# Allegro board FH8858v310_app_board_v1.1.brd (continued)
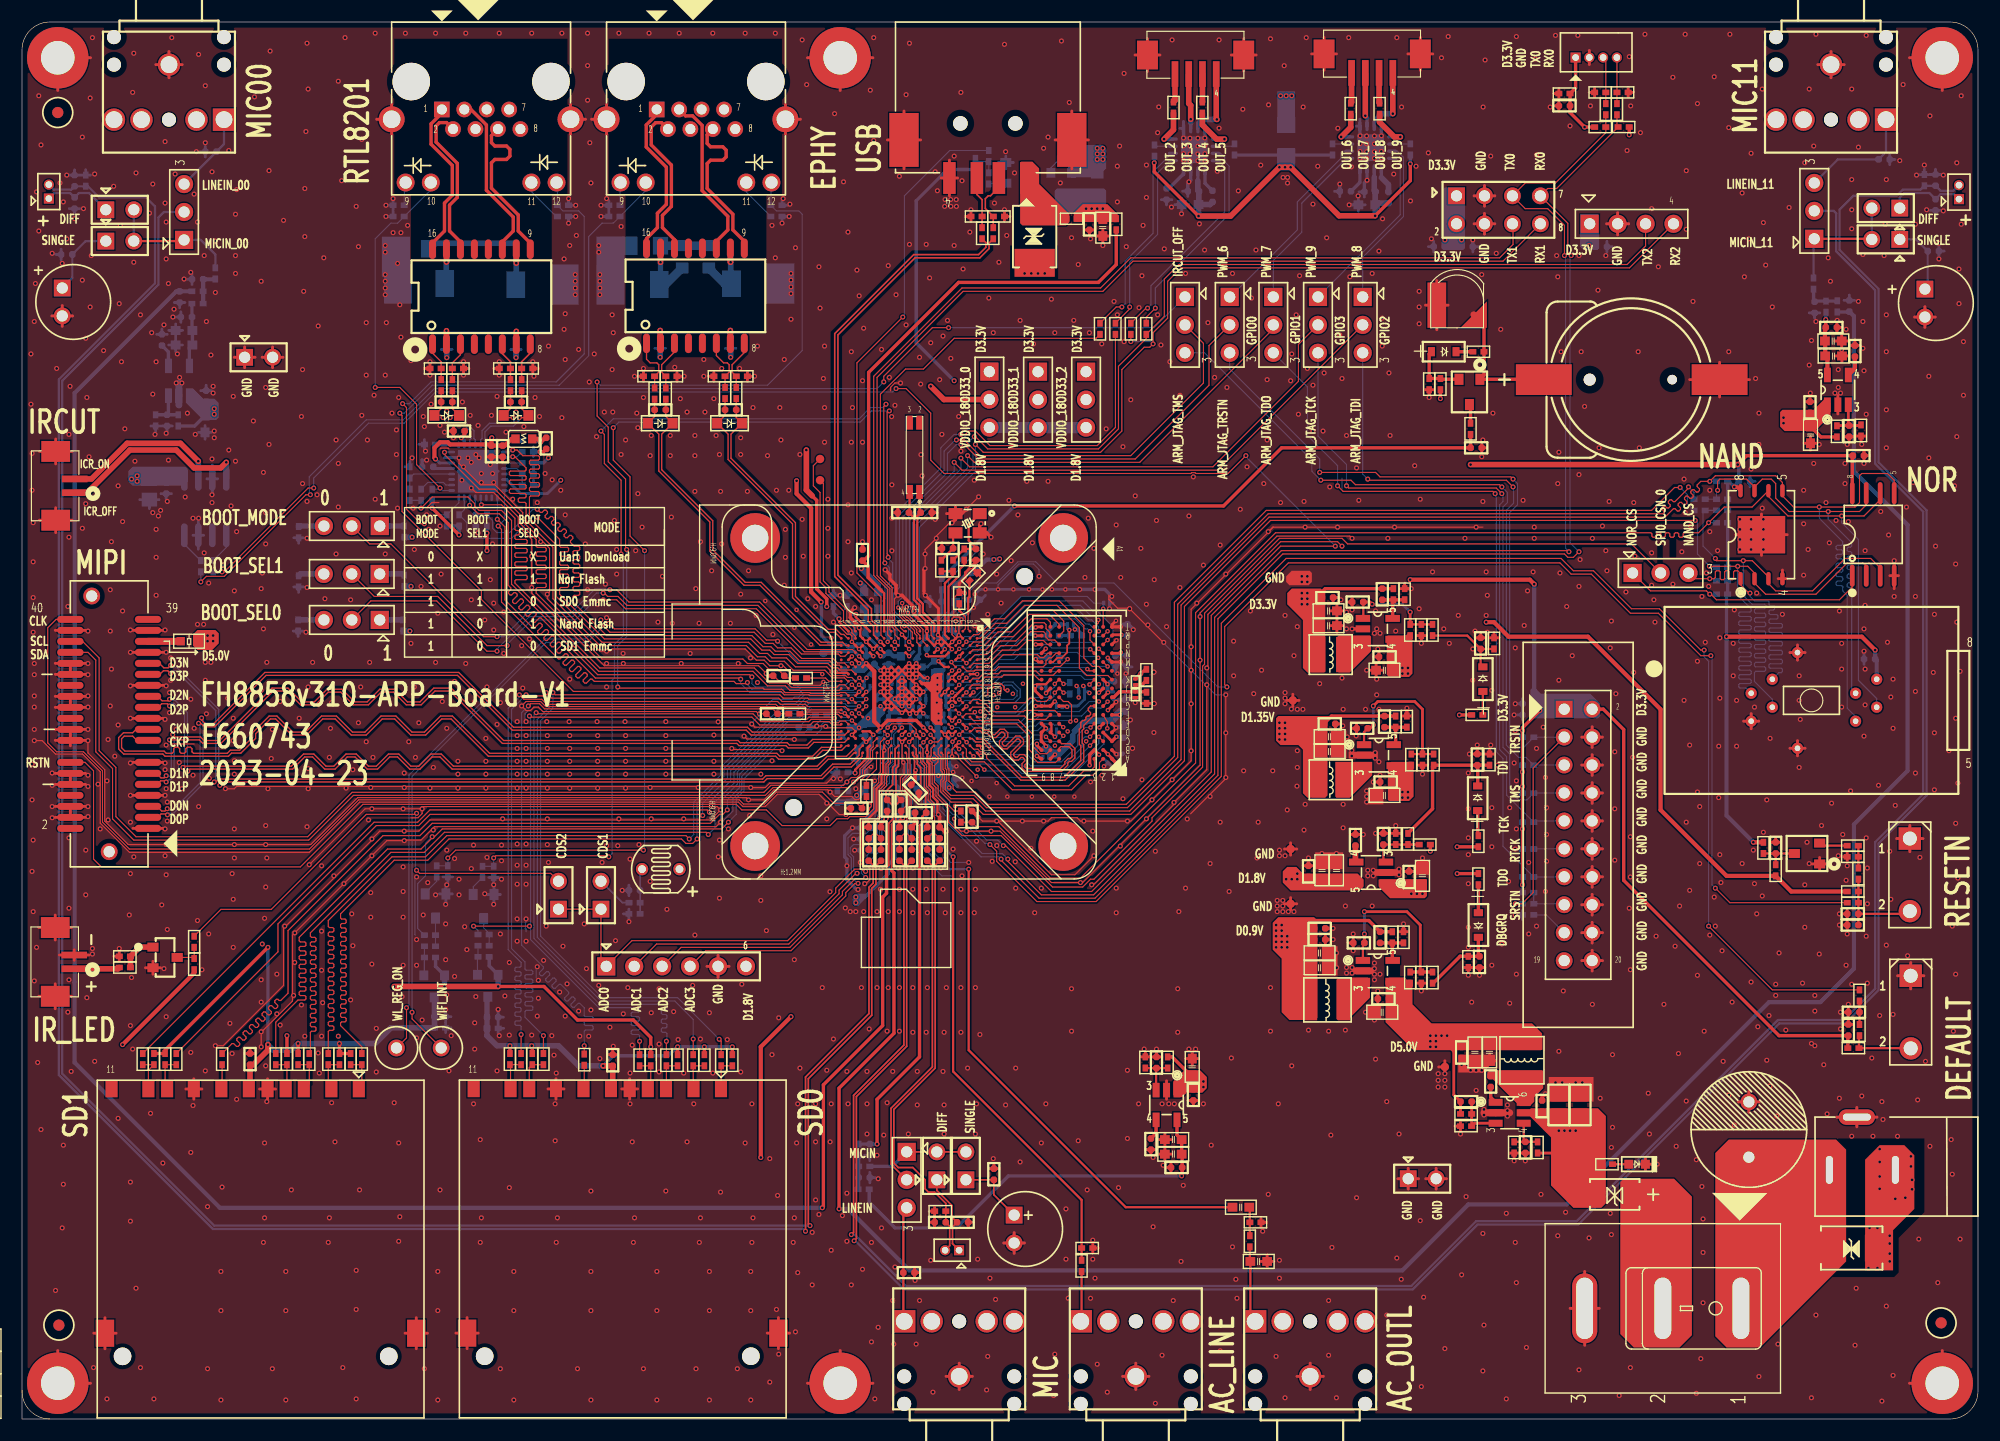
[diagram p0: board, top side]
## Routing (per net, layer and track width the routed paths; a pad name or vN(x,y) marks a point on that pad's centre or on a via; arc(x,y) is an arc through that point) (continued)
N06013: length 5.9
  TOP w0.203: R165.1 166.98,34.8 R164.2 171.66,33.72 S1.2
N06017: length 2.1
  TOP w0.203: R165.2 C161.1 R166.1
N06505: length 8.9
  TOP w0.203: S2.2 171.36,45.92 C163.1 ; C163.1 C164.1 ; C163.1 166.93,46.93 R172.1 R168.1 R171.2
N06945: length 2
  TOP w0.203: R170.2 R173.2 166.93,50.1 R171.1
N06949: length 2.6
  TOP w0.203: U22.2 163.64,52.12 R170.1
N07170: length 3.8
  TOP w0.203: R169.2 159.41,50.39 C162.1 ; C162.1 R167.2 ; C162.1 161.1,51.41 U22.3
N07819:
  vias: v2(96.72,110.03) v2(97.23,110.03) v2(97.74,110.03) v2(98.25,110.03)
N08491: length 3.6
  BOTTOM w0.102: Q4.3 93.52,113.28 MQ3.1 93.52,113.74 R159.1
N08611: length 1.6
  BOTTOM w0.102: Q4.1 87.96,112.34 R163.2
N08706: length 2.8
  TOP w0.102: UR1.L8 93.48,68.01 93.88,68.41 94.38,68.41 v1(95.05,69.08)
  BOTTOM w0.102: v1(95.05,69.08) 94.94,69.19 RR4.2
N08717: length 2.4
  BOTTOM w0.102: R163.1 R162.2 86.97,114.3 R161.1
N08787: length 2.7
  BOTTOM w0.102: MQ1.1 41.4,41.96 R73.1 41.46,42.01 R76.2
N08811: length 2.7
  BOTTOM w0.102: Q1.3 41.96,44.65 42.47,44.14 R75.2 42.47,43.04 R76.1
N09072: length 1.5
  TOP w0.203: R1.1 146.05,23.16 D3.A
N09434: length 7
  BOTTOM w0.203: J10.1 4.57,103.73 C134.1 5.79,107.09 JP21.1
N09578: length 7.4
  BOTTOM w0.203: JP23.3 C145.1 18.36,115.9 CN3.1
N09603: length 1.6
  TOP w0.305: U1.1 133.5,29.24 C1.1
N09903: length 4.5
  TOP w0.254: C8.2 R3.1 131.77,27.73 R5.2 132.04,26.89 U1.3
N09934: length 2.7
  BOTTOM w0.102: R95.2 36.58,41.96 R91.1 36.57,40.38 MQ2.1
N09938: length 2.6
  BOTTOM w0.102: R95.1 37.59,42.98 R94.2 37.59,45.53 Q2.3
N10300: length 3.3
  BOTTOM w0.381: R115.1 R116.1 16.46,103.6 C139.1 17.55,103.61 R114.2
N11558: length 9.3
  TOP w0.203: R12.2 R8.2 R7.2 ; C20.2 121.92,72.81 U2.1
  TOP w0.254: v2(122.73,74.07) 122.53,74.27 C20.2 ; v2(126.18,73.36) R7.2
  BOTTOM w0.254: v2(126.18,73.36) 125.47,74.07 v2(122.73,74.07)
N12328: length 3.8
  TOP w0.305: R9.2 125.68,74.47 R6.1 ; R6.1 124.59,74.4 U2.5 ; R6.1 C13.2
N12968: length 3.4
  TOP w0.508: Q3.1 10.7,42.9 R134.1 R133.1
N13141: length 2.6
  TOP w0.102: R130.2 R131.1 15.55,41.96 Q3.3
N15061: length 3.7
  TOP w0.305: R16.2 125.88,62.89 R14.1 ; R14.1 C27.2 ; R14.1 124.86,61.47 U4.5
N15235: length 15
  TOP w0.203: R15.2 R17.2 R20.2 ; U4.1 121.99,62.45 C31.2
  TOP w0.254: R17.2 127.3,64.52 126.59,65.23 123.24,65.23 v2(122.83,64.82) ; v2(122.83,63.09) 122.53,62.79 C31.2
  BOTTOM w0.254: v2(122.83,63.09) v2(122.83,64.82)
N17654: length 3.7
  TOP w0.305: C36.2 R23.1 ; R23.1 124.56,41.72 U5.5 ; R23.1 125.58,43.28 R26.2
N17828: length 16.4
  TOP w0.203: U5.1 121.89,43.15 C41.2
  TOP w0.254: R25.2 127.1,40.74 127.1,44.91 125.88,46.12 v2(122.02,46.12) ; C41.2 v2(122.02,44.09)
  TOP w0.305: R27.2 R25.2 R24.2
  BOTTOM w0.254: v2(122.02,44.09) v2(122.02,46.12)
N20335: length 4.9
  TOP w0.203: U3.3 123.75,50.87 C23.2 124.86,52.22 R11.2 R13.2 127,52.22 R10.2
N28498: length 3.9
  TOP w0.203: U1.4 136.5,25.35 C10.2 ; R2.2 137.76,25.2 C10.2 ; R4.2 135.64,25.2 C10.2
N33554: length 3.8
  BOTTOM w0.305: R117.2 14.19,91.29 C144.2 ; R118.2 12.15,91.29 C144.2 ; U13.3 13.31,91.42 C144.2
N36432: length 4.6
  TOP w0.203: R120.1 96.31,8.95 CN4.1
N36801: length 1.5
  TOP w0.508: C24.1 121.21,50.7 U3.4
N41621: length 2.3
  TOP w0.305: R18.2 132.32,53.09 D4.A
N41625: length 2.5
  TOP w0.305: D5.A 132.39,46.03 R21.2
N44755: length 6.4
  BOTTOM w0.203: JP22.1 6.1,111.46 5.18,111.46 C142.1 4.37,111.46 2.95,111.46 J11.1
N44863: length 12.1
  TOP w0.203: JP23.1 14.63,107.09 JP21.2
  BOTTOM w0.203: JP23.1 16.26,107.19 17.57,105.87 R114.1 ; JP21.2 JP22.2
N48743: length 2.1
  BOTTOM w0.305: U13.4 13.31,97 C141.1
N052210: length 1.9
  BOTTOM w0.102: Q1.1 41.02,48.39 R78.2
N56700: length 3.3
  BOTTOM w0.305: R110.1 164.99,101.63 R109.1 163,101.63 C126.1 162.85,101.66 R108.2
N56732: length 6.5
  BOTTOM w0.203: JP18.1 172.16,107.24 C121.1 173.23,102.97 J8.1
N56740: length 7.1
  BOTTOM w0.203: JP19.1 170.69,111.05 171.09,111.46 173.38,111.46 C129.1 174.4,111.35 175.62,111.35 J9.1
N56748: length 11.7
  TOP w0.203: JP18.2 168.1,107.29 JP20.1
  BOTTOM w0.203: JP20.1 162.85,107.22 R108.1 ; JP19.2 JP18.2
N56996: length 4.1
  TOP w0.254: U12.3 166.01,90.39 C131.2 ; C131.2 165,90.31 R111.2 ; C131.2 167.11,90.31 R112.2
N57248: length 10.6
  BOTTOM w0.203: CN2.1 169.44,115.19 C132.1 165.05,114.5 JP20.3
N57260: length 1.9
  TOP w0.381: U12.4 166.61,95.51 C128.1
N58665: length 3.1
  BOTTOM w0.305: R103.1 76.05,20.93 C113.1 R102.2 R104.1
N58697: length 6.5
  TOP w0.152: JP15.1 88.34,21.74 C108.1 88.34,20.39 J6.1
N58705: length 7.6
  TOP w0.152: J7.1 84.58,15.94 84.58,17.47 C116.1 84.53,18.34 84.53,19.41 83.16,20.78 JP16.1
N58713: length 9.3
  TOP w0.152: JP17.1 JP16.2 JP15.2
  BOTTOM w0.305: JP17.1 79.1,22.96 R102.1
N58961: length 4
  TOP w0.203: R106.2 102.12,31.9 C118.2 ; C118.2 103.09,31.86 U11.3 ; C118.2 104.14,31.9 R105.2
N59213: length 10.5
  TOP w0.203: JP17.3 80.11,18.9 C119.1 80.11,8.95 CN1.1
N59225: length 1.9
  TOP w0.305: U11.4 103.09,25.97 C115.1
N098160: length 2
  BOTTOM w0.102: R97.2 37.69,48.87 36.65,47.83 Q2.1
N16420393: length 8.2
  BOTTOM w0.508: R186.1 R183.1 37.46,106.89 C169.2
N16420413: length 3.5
  TOP w0.14: U24.8 46.2,96.9 45.42,96.11 D29.A 45.42,94.49 R187.1
N16420429: length 3.5
  TOP w0.14: R185.1 44.4,94.49 D28.A 44.4,96.11 43.66,96.85 U24.6
N16420441: length 3.5
  TOP w0.114: R184.1 39.12,95.5 D27.A 39.12,96.01 39.85,96.75 U24.3
N16420453: length 3.5
  TOP w0.114: R182.1 38.1,95.5 D25.A 38.1,96.11 37.31,96.9 U24.1
N16420847: length 3.9
  TOP w0.508: U24.15 v2(38.58,105.18)
  BOTTOM w0.508: D26.K 38.58,103.39 v2(38.58,105.18) 38.61,105.2 R183.2
N16421965: length 4
  TOP w0.508: U24.10 v2(44.93,105.08)
  BOTTOM w0.508: D33.K 44.93,103.17 v2(44.93,105.08) 44.9,105.11 R186.2
N16425733: length 2.1
  BOTTOM w0.102: J17.9 54.36,112.36 R179.2
N16425793: length 4
  BOTTOM w0.102: J17.11 65.83,111.56 R176.2
N16425805: length 4.4
  BOTTOM w0.762: C166.2 R175.1 R180.1
N16425817: length 4.6
  TOP w0.114: R181.1 64.92,94.79 D24.A 64.55,95.17 64.55,95.84 65.66,96.95 U23.8
N16425841: length 4.8
  TOP w0.114: U23.6 63.12,96.67 63.78,96.01 64.11,96.01 64.28,95.84 64.28,95.17 D22.A 63.91,94.79 R178.1
N16425857: length 4.7
  TOP w0.114: R177.1 D21.A 58.15,95.17 58.15,95.84 59.31,97 U23.3
N16425869: length 5
  TOP w0.114: U23.1 56.77,96.34 57.1,96.01 57.71,96.01 57.88,95.84 57.88,95.17 D18.A R174.1
N16426003: length 6
  TOP w0.508: U23.15 v2(58.04,105.16)
  BOTTOM w0.508: v2(58.04,105.16) 58.04,103.24 D15.K
  BOTTOM w0.762: R175.2 58.5,103.13 D15.K
N16426121: length 6.6
  TOP w0.508: U23.10 64.39,105.18 v2(64.41,105.16)
  BOTTOM w0.508: D16.K 64.41,103.3 v2(64.41,105.16) 64.41,105.87
  BOTTOM w0.762: R180.2 63.86,103.22 D16.K
N16429750: length 6.4
  TOP w0.203: R40.2 R39.1 C78.2 86.72,79.2 86.06,79.86 86.06,81.31 U7.1
N16429757: length 3
  TOP w0.203: U7.3 84.63,80.34 C80.2 R41.1
N16431709: length 3.7
  TOP w0.203: v2(75.73,58.73) 75.73,59.02 76.86,60.15 76.86,61.01 76.96,61.11 U6.T17
  BOTTOM w0.305: v2(75.73,58.73) 75.72,58.73 75.68,58.78 R38.2
N16431882: length 4.9
  TOP w0.203: v1(77.39,62.2) 77.39,62.2 U6.T15 U6.U15
  BOTTOM w0.254: v1(77.39,62.2) 77.17,61.98 77.17,61.12 C65.2
  BOTTOM w0.305: R36.2 76.56,59.33 76.96,59.74 C63.2 C65.2
N16435126: length 2.1
  BOTTOM w0.102: R189.2 34.75,112.28 J18.9
N16435186: length 4.1
  BOTTOM w0.102: R188.2 48.56,109.32 46.3,111.58 J18.11
N16435296: length 3.3
  TOP w0.203: U6.T1 75.79,72.89 v2(75.79,73.15)
  BOTTOM w0.305: R31.1 74.98,73.66 75.49,73.15 v2(75.79,73.15)
N16435824: length 3.7
  TOP w0.203: U6.P3 v1(78.04,70.65)
  BOTTOM w0.254: v1(78.04,70.65) 77.72,70.96 C51.1 C49.1 77.72,73.56 R30.1
N16436348: length 4.7
  TOP w0.203: U6.P4 v1(78.04,70)
  BOTTOM w0.254: C43.1 76.66,71.38 v1(78.04,70)
  BOTTOM w0.305: R28.1 76.66,73.56 C42.1 C43.1
N16436997: length 7.1
  TOP w0.203: U6.L15 80,62.2 v1(79.99,62.2)
  BOTTOM w0.152: C54.1 79.3,59.18 79.71,59.59 79.71,61.31 79.62,61.39 79.62,61.83 v1(79.99,62.2)
  BOTTOM w0.305: R32.1 79.35,56.59 79.65,56.9 79.65,57.45 79.3,57.81 C53.1 C54.1
N16449185: length 5.4
  TOP w0.203: v1(83.89,69.99) 83.57,69.67 U6.F4
  BOTTOM w0.305: R29.2 84.89,73.61 84.02,72.75 84.02,72.64 C45.2 84.04,72.54 84.04,71.94 83.89,71.8 83.89,71.56 83.82,71.49 83.82,71.01 C50.2 83.72,70.85 83.72,70.16 v1(83.89,69.99)
N16449233: length 2.8
  TOP w0.203: U6.E4 83.89,69.34 82.4,69.34 82.29,69.45 v1(82.25,69.45)
  BOTTOM w0.203: v1(82.25,69.45) C46.2
N16450927: length 3.3
  TOP w0.102: U6.Y8 73.35,67.07 73.05,67.36 R205.1
N16455658: length 45.1
  TOP w0.102: R154.2 97.63,98.25 84.73,98.25 81.94,95.45 80.31,95.45 78.03,93.17 78.03,76.66 79.1,75.59 79.1,71.98 79.35,71.73 79.35,71.29 U6.M2
N16455818: length 45.3
  TOP w0.102: U6.L1 80.18,71.62 79.86,71.94 79.86,72.32 v1(79.8,72.38) ; R155.2 99.39,90.15 97.74,88.49 87.99,88.49 86.66,89.81 86.06,89.81 85.75,89.51 v2(85.34,89.51)
  BOTTOM w0.102: v2(85.34,89.51) 84.73,89.51 83.52,88.29 83.52,86.46 79.45,82.4 79.45,75.79 79.04,75.39 79.04,73.42 79.8,72.67 v1(79.8,72.38)
N16457157: length 3.1
  TOP w0.102: U6.V13 v1(75.44,64.15)
  BOTTOM w0.102: v1(75.44,64.15) 75.08,63.79 74.43,63.79 74.14,64.08 73.23,64.08 R206.1
N16486091: length 2.4
  BOTTOM w0.508: R48.1 25.1,72.64 JP3.3
N16486095: length 2.1
  BOTTOM w0.508: R47.1 32.52,72.65 JP3.1
N16486099: length 2.4
  BOTTOM w0.508: JP2.3 25.31,76.82 R46.1
N16486103: length 2.3
  BOTTOM w0.508: R45.1 34.63,76.82 JP2.1
N16486107: length 2.3
  BOTTOM w0.508: JP1.3 25.19,81.18 R43.1
N16486111: length 2.2
  BOTTOM w0.508: R42.1 32.52,81.18 JP1.1
N16486523: length 2.8
  TOP w0.203: v2(74.27,72.75) 74.27,72.47 U6.W1
  BOTTOM w0.305: v2(74.27,72.75) 73.76,73.25 R49.1
N16486660: length 15.1
  TOP w0.102: U6.V1 75.69,71.69 75.69,71.91 74.98,72.62 74.98,73.56 73.36,75.18 73.36,75.69 72.85,76.2 72.85,85.04 T12.1
N16486662: length 18.2
  TOP w0.102: U6.V2 75.77,71.14 75.44,71.48 75.44,71.73 74.68,72.49 74.68,73.46 73.08,75.06 73.08,75.56 72.54,76.1 72.54,84.23 71.93,84.84 71.93,86.66 T13.1
N16487186: length 2.6
  TOP w0.203: U6.R4 v1(78.04,69.35)
  BOTTOM w0.381: v1(78.04,69.35) 78.29,69.35 78.59,69.64 C87.1 78.89,69.64 79.2,69.34 R44.1
N16490273: length 4.7
  TOP w0.102: U6.B1 86,71.78 86,73.2
  TOP w0.203: RR2.2 86.12,74.74 86,74.62 86,73.2
N16490668: length 3.9
  TOP w0.203: U6.U5 v1(76.1,69.34)
  BOTTOM w0.305: v1(76.1,69.34) 75.65,69.79 73,69.79 T11.1
N16520538: length 1.7
  TOP w0.305: D6.3 131.67,92.12 R61.2
N16520613: length 12.2
  TOP w0.305: BT2.1 132.9,99.46 R62.1 132.9,94.89 D6.1 138.3,94.52 BT1.1
N16520832: length 5.3
  TOP w0.305: D6.2 129,94.52 R60.1 127.92,94.59 R63.2 127.91,96.82 D7.A
N16520849: length 1.5
  TOP w0.305: R62.2 131.88,97.03 D7.K
N16521132: length 53
  TOP w0.102: JP10.2 107.39,97.79 107.39,94.18 100.79,87.58 87.07,87.58 85.65,89 v2(84.94,89) ; v1(80.21,72.09) 80.37,72.09 80.92,71.53 80.92,71.01 U6.K2
  BOTTOM w0.102: v2(84.94,89) 84.84,89 83.82,87.99 83.82,86.26 79.76,82.19 79.76,75.59 79.25,75.08 79.25,73.51 80.21,72.54 v1(80.21,72.09)
N16521492: length 3.4
  TOP w0.102: U6.R18 77.67,60.52 77.67,59.08 76.76,58.16 R33.2
N16523108: length 2.8
  TOP w0.102: U6.C1 85.75,71.85 85.75,72.95 85.65,73.05
  TOP w0.203: 85.65,73.05 85.19,73.51 RR3.2
N16568818: length 2.1
  BOTTOM w0.305: C187.1 107.54,112.34 U26.9
N16568861: length 2.3
  BOTTOM w0.305: U26.12 105.59,113.21 104.24,111.86 C186.1
N16569733: length 1.8
  BOTTOM w0.102: R209.2 110,115.7 U26.6
N16569735: length 1.7
  BOTTOM w0.102: R211.2 103.06,115.7 U26.15
N16571206: length 2.3
  BOTTOM w0.305: 123.57,112.86 U27.9
  BOTTOM w0.508: C182.1 124.21,112.21 123.57,112.86
N16571226: length 2.4
  BOTTOM w0.305: U27.12 121.62,112.42 C188.1
N16571270: length 1.7
  BOTTOM w0.102: R208.2 126.18,115.91 U27.6
N16571274: length 1.5
  BOTTOM w0.102: U27.15 119.14,115.91 R207.2
N16582454: length 9.6
  TOP w0.102: U6.N18 78.94,60.49 78.94,59.66 78.74,59.45 78.74,58.53 78.59,58.38 78.59,57.57 78.13,57.11 78.13,54.73 77.63,54.23 77.63,53.24 C60.1 C61.1
N16582482: length 10.3
  TOP w0.102: U6.N17 78.74,60.94 78.74,59.74 78.54,59.54 78.54,58.62 78.38,58.46 78.38,57.65 77.93,57.19 77.93,54.81 77.42,54.31 77.42,53.25 C64.1 C62.1
N16582502: length 9.7
  TOP w0.102: U6.L18 80.42,60.47 80.42,59.94 80.52,59.84 80.52,58.66 80.06,58.2 80.06,57.13 80.62,56.57 80.62,55.63 80.44,55.45 80.44,54.43 80.21,54.2 80.21,53.24 C67.1 C68.1
N16582514: length 10.4
  TOP w0.102: U6.L17 80.62,60.92 80.62,60.03 80.72,59.93 80.72,58.57 80.26,58.12 80.26,57.22 80.82,56.66 80.82,55.54 80.65,55.36 80.65,54.35 80.42,54.12 80.42,53.24 C70.1 C69.1
N16582562: length 6.5
  TOP w0.203: U6.G4 82.92,69.67 v1(83.24,69.99)
  BOTTOM w0.254: C77.2 83.61,74.27 83.61,73.27 82.69,72.34 82.69,71.7 82.8,71.59 82.8,70.41 83.22,69.99 v1(83.24,69.99)
  BOTTOM w0.305: R37.2 83.57,75.34 C77.2
N16582664: length 9.5
  TOP w0.102: C56.1 C55.1 82.75,53.24 82.75,54.61 82.7,54.66 82.7,55.91 82.37,56.24 82.37,57.1 82.02,57.44 82.02,59.37 81.84,59.55 81.84,59.55 81.7,59.7 81.7,60.49 U6.J18
N16582680: length 10.2
  TOP w0.102: C57.1 C58.1 82.96,53.24 82.96,54.69 82.91,54.75 82.91,55.62 82.91,55.99 82.57,56.33 82.57,57.18 82.23,57.52 82.23,59.45 82.04,59.64 82.04,59.64 81.9,59.78 81.9,60.94 U6.J17
N16582750: length 9.8
  TOP w0.102: v1(80.64,62.2) 80.65,62.2 U6.K15
  BOTTOM w0.102: v1(80.64,62.2) 81.08,61.76 81.08,59.89 81.42,59.55 81.42,59.31 81.79,58.95 81.79,57.05 81.79,56.49 81.74,56.45 81.74,55.52 C73.1 82.19,54.83 81.97,54.6 81.97,53.78 C72.1
N16582754: length 6.1
  TOP w0.152: v1(80.64,61.55) 80.95,61.87 U6.K16
  BOTTOM w0.152: v1(80.64,61.55) 80.64,61.54 80.64,59.66 80.82,59.49 80.82,57.56 80.72,57.45 C76.1
N16582796: length 3.9
  TOP w0.152: v1(81.23,58.98) 81.13,59.08 81.13,60.2 80.97,60.36 U6.K18
  TOP w0.305: C74.1 81.18,58.01 81.18,58.93 v1(81.23,58.98)
  BOTTOM w0.305: C75.1 81.23,58.42 v1(81.23,58.98)
N16589672: length 6.9
  TOP w0.102: R203.2 84.73,55.27 83.28,56.73 83.28,57.54 82.94,57.88 82.94,59.42 83.26,59.74 83.26,60.15 82.92,60.49 U6.G18
N16598183: length 102.1
  TOP w0.102: U6.M3 v1(79.34,70.65) ; v2(78.54,92.25) 78.33,92.05 78.33,77.93 v2(78.44,77.83) ; v2(42.87,51) 43.08,51.21 53.24,51.21 v2(53.34,51.1) ; v2(54.46,78.64) 54.46,85.34 52.93,86.87 52.93,89.51 v2(52.63,89.81)
  BOTTOM w0.102: v2(42.87,51) R80.1 R78.1 ; v2(54.46,78.64) 54.66,78.44 54.66,71.22 53.85,70.41 53.85,67.36 53.64,67.16 53.64,51.41 v2(53.34,51.1) ; v2(78.44,77.83) 78.84,77.42 78.84,76 78.64,75.79 78.64,73.25 79.2,72.69 79.2,71.58 79.34,71.44 v1(79.34,70.65) ; v2(52.63,89.81) 53.75,90.93 76.1,90.93 77.11,91.95 78.23,91.95 v2(78.54,92.25)
N16598187: length 108.3
  TOP w0.102: v2(56.49,51.71) 39.42,51.71 v2(38.71,51) ; v2(78.84,91.64) 78.74,91.64 78.64,91.54 78.64,78.64 78.74,78.54 v2(78.74,78.33) ; U6.N3 v1(79.34,70) ; v2(53.75,90.12) 53.75,87.17 55.27,85.65 55.27,80.26 v2(56.59,78.94)
  BOTTOM w0.102: v2(56.49,51.71) 56.59,51.82 56.59,51.96 v2(56.59,78.94) ; R97.1 R99.1 v2(38.71,51) ; v2(78.84,91.64) 77.22,91.64 76.2,90.63 54.25,90.63 v2(53.75,90.12) ; v1(79.34,70) 79.76,70.42 79.76,70.92 79.54,71.13 79.54,71.69 79.4,71.83 79.4,72.78 78.84,73.34 78.84,75.59 79.15,75.9 79.15,77.83 78.74,78.23 v2(78.74,78.33)
N16609598: length 3.9
  TOP w0.102: R204.2 70.76,64.06 74.17,64.06 74.41,63.82 U6.Y13
N16674187: length 2.6
  TOP w0.508: R150.2 104.8,119.87 J19.1
N16674222: length 2.5
  TOP w0.508: R151.2 107.31,119.75 J19.3
N16674257: length 2.8
  TOP w0.508: R152.2 120.86,119.7 J20.1
N16674292: length 2.8
  TOP w0.508: J20.3 123.36,119.68 R153.2
N16776457: length 2.1
  TOP w0.203: D35.A R123.2

## Copper pours and planes (outline as drawn; the poured copper is in the pictures)
D0.9V on TOP (solid shape): 117.75,45.31 117.75,36.47 117.55,36.27 115.21,36.27 114.5,36.98 114.5,41.86 113.69,42.67 113.69,45.11 114.2,45.62 117.45,45.62
D0.9V on BOTTOM (solid shape): 78.44,64.52 78.44,64.11 78.03,63.7 78.03,63.3 77.92,63.18 77.91,63.18 77.79,63.1 77.71,62.98 77.7,62.97 77.62,62.89 76.5,62.89 76.2,62.59 75.18,62.59 74.98,62.79 74.98,62.99 75.18,63.19 75.25,63.19 75.26,63.19 75.41,63.14 75.57,63.17 75.62,63.2 75.9,63.2 77.42,64.72 78.23,64.72
D0.9V on BOTTOM (solid shape): 80.18,68.17 80.25,68.14 80.28,68.07 80.3,67.92 80.39,67.8 80.42,67.72 80.39,67.65 80.32,67.57 80.29,67.47 80.31,67.25 80.47,67.09 80.47,66.6 80.47,66.4 80.47,65.89 80.47,65.68 80.47,65.23 80.38,65.23 80.11,64.96 80.14,64.83 80.13,64.76 80.11,64.7 80.04,64.62 79.87,64.62 79.87,64.64 79.76,64.64 79.76,64.72 79.25,64.72 79,64.96 78.94,65.05 78.85,65.11 78.74,65.23 78.74,65.63 78.84,65.74 79.35,65.74 79.45,65.84 79.45,68.07 79.55,68.17
D0.9V on L3 (solid shape): outline of 363 points within 66.85,40.44 115.32,67.67
D1.8V on TOP (solid shape): 116.43,49.58 121.41,49.58 121.92,49.07 121.92,48.36 121.62,48.06 115.32,48.06 114.6,48.77 114.6,49.78 115.01,50.19 115.82,50.19
D1.8V on BOTTOM (solid shape): 76.91,68.78 76.91,68.17 76.56,67.82 75.64,67.82 75.44,68.02 75.44,68.12 75.9,68.58 75.9,68.73 76.05,68.88 76.81,68.88
D1.8V on BOTTOM (solid shape): 76.91,47.65 76.91,47.55 76,46.63 75.69,46.63 75.49,46.84 75.49,47.55 75.69,47.75 76.81,47.75
D1.8V on L3 (solid shape): 60.66,50.7 60.66,48.87 59.13,48.87 59.13,51.51 59.84,51.51
D1.8V on L3 (solid shape): 67.26,41.35 67.26,40.64 66.45,39.83 66.14,39.83 64.11,41.86 64.62,42.37 66.24,42.37
D1.8V on L3 (solid shape): outline of 374 points within 57.71,36.07 119.48,91.14
D1.35V on TOP (solid shape): 119.08,63.8 118.67,63.4 118.67,56.69 118.47,56.49 116.84,56.49 116.43,56.9 116.43,60.86 116.03,61.26 114.4,61.26 114,61.67 114,63.7 114.2,63.91 118.97,63.91
D1.35V on TOP (solid shape): 83.62,67.77 83.62,67.61 83.64,67.61 83.64,67.27 83.64,67.26 83.64,66.34 83.57,66.23 83.54,66.11 83.54,66.09 83.47,66.03 83.46,66.03 83.29,65.71 83.57,65.49 83.64,65.46 83.67,65.38 83.67,63.65 83.61,63.59 83.61,63.14 83.57,63.1 83.02,63.1 82.6,63.53 82.6,66.07 81.91,66.75 81.91,66.93 81.99,67.01 82.5,67.01 82.6,67.11 82.6,67.23 82.63,67.35 82.61,67.47 82.91,67.77 83.11,67.77 83.16,67.82 83.16,67.82 83.57,67.82
D1.35V on BOTTOM (solid shape): 100.58,64.52 100.58,64.21 100.38,64.01 100.08,64.01 99.26,63.2 96.93,63.2 96.8,63.07 96.58,63.07 95.76,62.25 95.76,61.52 94.28,60.05 93.27,60.05 93.21,60.09 93.22,60.1 93.22,60.35 92.91,60.66 92.61,60.66 92.61,61.06 92.73,61.16 92.93,61.37 93.31,61.37 93.58,61.09 93.66,60.98 93.77,60.91 93.83,60.85 94.34,60.85 95.25,61.76 95.25,62.19 95.31,62.23 95.35,62.27 95.43,62.44 95.4,62.62 96.37,63.59 96.57,63.59 96.78,63.79 98.84,63.79 99.67,64.62 100.48,64.62
D1.35V on BOTTOM (solid shape): 83.92,68.17 83.92,67.97 83.82,67.87 83.82,66.44 83.79,66.43 83.56,66.19 83.62,65.87 83.62,64.47 83.77,64.31 83.92,64.31 83.92,63.6 84.02,63.5 84.02,63.3 83.52,63.3 83.52,63.12 83.5,63.12 83.5,62.53 83.55,62.52 83.59,62.48 83.59,62.39 83.58,62.38 83.55,62.14 83.67,61.93 83.67,58.83 84.12,58.37 84.12,57.91 84.53,57.51 84.53,57.2 84.43,57.1 83.92,57.1 83.01,58.01 83.01,59.47 82.65,59.83 82.65,60.16 82.83,60.34 82.83,60.97 83.15,61.28 83.15,61.82 82.91,62.05 82.92,62.08 82.93,62.28 82.84,62.45 82.81,62.52 82.84,62.6 82.94,62.91 82.73,63.17 82.7,63.19 82.7,68.07 82.91,68.28 83.82,68.28
D1.35V on L3 (solid shape): outline of 2793 points within 82.7,55.16 115.37,75.08
D3.3V on TOP (solid shape): 118.47,75.08 118.47,67.97 118.36,67.87 116.84,67.87 116.43,68.28 116.43,72.64 115.01,74.07 115.01,75.08 115.42,75.49 118.06,75.49
D3.3V on BOTTOM (solid shape): 131.17,106.48 130.96,106.27 129.24,106.27 129.03,106.48 129.03,111.66 129.34,111.96 131.17,111.96
D3.3V on BOTTOM (solid shape): 143.36,109.42 143.36,106.48 143.15,106.27 141.94,106.27 141.63,106.58 141.63,109.52 143.26,109.52
D3.3V on BOTTOM (solid shape): 138.07,65.94 142.54,65.94 143.46,65.02 143.46,63.91 143.26,63.7 137.26,63.7 137.06,63.91 137.06,65.53 137.11,65.58 137.11,66.29 137.36,66.55 137.46,66.55
D3.3V on L3 (solid shape): 131.57,107.7 129.44,107.7 129.44,112.17 131.57,112.17
D3.3V on L3 (solid shape): 143.36,107.49 141.33,107.49 141.33,110.03 143.36,110.03
D3.3V on L3 (solid shape): outline of 1440 points within 23.57,34.24 146.41,117.75
D5.0V on TOP (solid shape): 17.88,71.42 17.88,70.51 17.27,69.9 15.95,69.9 15.54,70.31 15.54,71.32 15.95,71.73 17.58,71.73
D5.0V on TOP (solid shape): 126.49,59.64 126.49,56.59 126.09,56.18 124.26,56.18 124.16,56.29 124.16,59.44 124.46,59.74 126.39,59.74
D5.0V on TOP (solid shape): 127.71,48.97 127.71,47.55 127.51,47.35 124.36,47.35 123.34,48.36 123.34,48.97 123.44,49.07 127.61,49.07
D5.0V on TOP (solid shape): 107.7,31.09 107.7,30.07 107.29,29.67 105.87,29.67 105.46,29.26 104.85,29.26 104.65,29.46 104.65,30.68 105.66,31.7 107.09,31.7
D5.0V on TOP (solid shape): 164.39,92.35 164.39,91.24 162.97,89.81 160.22,89.81 159.82,90.22 159.82,91.54 160.02,91.74 162.86,91.74 163.78,92.66 164.08,92.66
D5.0V on TOP (solid shape): 126.39,71.22 126.39,67.77 126.09,67.46 124.26,67.46 124.05,67.67 124.05,71.12 124.16,71.22 125.78,71.22 125.98,71.42 126.19,71.42
D5.0V on TOP (solid shape): 125.88,39.93 126.29,39.93 126.39,39.83 126.39,37.69 128.12,35.97 137.26,35.97 138.18,35.05 138.18,33.63 138.07,33.53 126.49,33.53 123.95,36.07 123.95,39.83 124.26,40.13 125.68,40.13
D5.0V on BOTTOM (solid shape): 115.72,116.94 114.1,116.94 114.1,120.7 115.72,120.7
D5.0V on BOTTOM (solid shape): 98.55,115.52 98.55,113.69 97.74,112.88 95.4,112.88 95.1,113.18 95.1,114.91 96.01,115.82 98.25,115.82
D5.0V on BOTTOM (solid shape): 16.46,92.76 17.48,92.76 17.88,92.35 17.88,91.03 17.68,90.83 16.46,90.83 14.94,92.35 14.94,93.57 15.04,93.68 15.54,93.68
D5.0V on L3 (solid shape): outline of 414 points within 16.36,29.36 165,122.53
D12V on TOP (solid shape): 143.97,27.53 143.97,19.61 143.56,19.2 141.02,19.2 138.99,21.23 138.99,25.6 137.06,27.53 136.04,27.53 135.94,27.64 135.94,28.04 136.04,28.14 137.06,28.14 137.16,28.24 143.26,28.24
D12V on BOTTOM (solid shape): 15.04,86.36 15.04,85.14 14.73,84.84 10.06,84.84 9.65,85.24 9.65,86.16 10.06,86.56 14.83,86.56
D12V on L3 (solid shape): 11.28,85.65 11.28,84.73 10.77,84.23 10.06,84.23 9.65,84.63 9.65,85.55 10.16,86.06 10.87,86.06
GND on TOP (solid shape): 93.88,103.84 90.22,103.84 90.22,106.38 93.88,106.38
GND on TOP (solid shape): 119.58,40.34 118.16,40.34 118.16,42.98 119.58,42.98
GND on TOP (solid shape): 120.09,49.99 117.55,49.99 117.55,51.51 120.09,51.51
GND on TOP (solid shape): 120.4,60.05 118.97,60.05 118.97,62.59 120.4,62.59
GND on TOP (solid shape): 122.94,40.44 120.9,40.44 120.9,41.05 122.94,41.05
GND on TOP (solid shape): 123.24,60.05 120.6,60.05 120.6,60.66 123.24,60.66
GND on TOP (solid shape): 123.55,36.37 122.22,36.37 122.22,37.59 123.55,37.59
GND on TOP (solid shape): 123.75,55.88 122.22,55.88 122.22,57.3 123.75,57.3
GND on TOP (solid shape): 125.07,49.38 122.94,49.38 122.94,49.99 125.07,49.99
GND on TOP (solid shape): 127.91,49.48 126.7,49.48 126.7,50.8 127.91,50.8
GND on TOP (solid shape): 142.85,28.85 138.79,28.85 138.79,31.09 142.85,31.09
GND on TOP (solid shape): 133.91,32.11 133.4,32.11 132.79,31.5 130.56,31.5 130.56,33.12 133.91,33.12
GND on TOP (solid shape): 117.25,76.91 117.25,76.1 116.94,75.79 115.21,75.79 114.91,76.1 114.91,76.61 115.42,77.11 117.04,77.11
GND on TOP (solid shape): 172.01,23.98 172.01,19.1 170.08,17.17 170.08,13.51 167.54,13.51 167.54,23.57 168.86,24.89 171.09,24.89
GND on BOTTOM (solid shape): 35.26,103.84 32.72,103.84 32.72,107.49 35.26,107.49
GND on BOTTOM (solid shape): 35.46,101.4 32.92,101.4 32.92,105.05 35.46,105.05
GND on BOTTOM (solid shape): 43.28,84.23 39.62,84.23 39.62,88.09 43.28,88.09
GND on BOTTOM (solid shape): 50.6,101.3 48.06,101.3 48.06,104.95 50.6,104.95
GND on BOTTOM (solid shape): 54.76,103.84 52.22,103.84 52.22,107.49 54.76,107.49
GND on BOTTOM (solid shape): 54.76,101.3 52.22,101.3 52.22,104.95 54.76,104.95
GND on BOTTOM (solid shape): 55.93,105.86 52.58,105.86 52.58,107.48 55.93,107.48
GND on BOTTOM (solid shape): 70.21,101.4 67.67,101.4 67.67,105.05 70.21,105.05
GND on BOTTOM (solid shape): 78.73,64.95 78.79,64.91 78.84,64.84 79.16,64.52 79.55,64.52 79.55,64.44 79.67,64.44 79.67,64.41 80.06,64.41 80.06,64.35 80.11,64.3 80.13,64.24 80.13,64.09 80.1,64.05 78.81,64.05 78.77,64.01 78.74,64.01 78.74,64.52 78.44,64.82 78.44,64.92 78.54,65.02 78.65,65.02
GND on TOP: 2.54,0.51 1.1,1.1 0.51,2.54 0.51,124.46 1.1,125.9 2.54,126.49 175.26,126.49 176.7,125.9 177.29,124.46 177.29,2.54 176.7,1.1 175.26,0.51 ; 75 cut-outs
GND on BOTTOM: 2.54,0.51 1.1,1.1 0.51,2.54 0.51,124.46 1.1,125.9 2.54,126.49 175.26,126.49 176.7,125.9 177.29,124.46 177.29,2.54 176.7,1.1 175.26,0.51 ; 44 cut-outs
GND on L2: 175.26,126.49 176.7,125.9 177.29,124.46 177.29,2.54 176.7,1.1 175.26,0.51 2.54,0.51 1.1,1.1 0.51,2.54 0.51,124.46 1.1,125.9 2.54,126.49
GND on L3: 2.54,0.51 1.1,1.1 0.51,2.54 0.51,124.46 1.1,125.9 2.54,126.49 175.26,126.49 176.7,125.9 177.29,124.46 177.29,2.54 176.7,1.1 175.26,0.51 ; 1 cut-out
VBUS on TOP (solid shape): 92.46,113.69 92.46,112.27 95.2,109.52 95.2,108.81 94.89,108.51 90.93,108.51 90.73,108.71 90.73,114.2 90.83,114.3 91.85,114.3
VM on BOTTOM (solid shape): 115.72,113.49 114.1,113.49 114.1,115.32 115.72,115.32
N07819 on TOP (solid shape): 99.67,109.42 99.67,109.02 99.47,108.81 95.61,108.81 95.61,109.63 96.42,110.44 98.65,110.44
